# KiCad board 8851_HW-U1-VCU118_REV2-0_071417.kicad_pcb (continued)
## Routing (per net, layer and track width the routed paths; a pad name or vN(x,y) marks a point on that pad's centre or on a via; arc(x,y) is an arc through that point) (continued)
RLD3_C3_72B_DQ40: length 120.3
  TOP w0.15: v2(106.53,66.77) 107.02,66.28 ; 78.57,109.91 v2(79.06,109.41)
  TOP w0.375: U1.P25 v2(118.34,74.65)
  14_SIG4 w0.087: v2(79.06,109.41) 79.06,109.13 78.57,108.63 78.57,108.22 78.29,107.94 77.87,107.94 77.56,107.64 77.56,107.23 77.7,107.1 ; 92.9,65.3 99.67,65.3 100.28,64.7 104.17,64.7 105.06,65.59 105.06,66.01 105.33,66.28 105.76,66.28 106.25,66.77 v2(106.53,66.77)
  14_SIG4 w0.138: 77.7,107.1 77.83,106.97 77.83,106.36 77.65,106.18 77.65,105.06 77.46,104.87 77.16,104.87 76.97,104.69 76.97,104.31 77.16,104.12 77.46,104.12 77.65,103.94 77.65,103.7 77.87,103.48 78.81,103.48 79.01,103.28 79.01,103.05 78.77,102.81 78.03,102.81 77.82,102.6 77.82,100.53 78.07,100.27 79,100.27 79.18,100.46 79.18,101.58 79.37,101.76 79.72,101.76 79.93,101.55 79.93,100.46 80.12,100.27 80.84,100.27 81.6,99.52 81.6,98.68 82.38,97.9 82.38,93.77 80.92,92.31 80.92,91.92 80.85,91.85 80.85,89.3 80.12,88.58 73.72,88.58 72.58,87.43 72.58,84.86 73.12,84.32 80.38,84.32 81.05,83.65 81.05,75.24 80.68,74.88 79.64,74.88 79.45,74.69 79.45,73.49 79.26,73.31 78.89,73.31 78.7,73.49 78.7,74.69 78.51,74.88 75.83,74.88 74.73,73.77 74.73,71.91 74.94,71.7 75.36,71.7 75.55,71.89 75.55,73.29 75.73,73.47 76.11,73.47 76.3,73.29 76.3,71.89 76.48,71.7 76.86,71.7 77.05,71.89 77.05,73.29 77.23,73.47 77.61,73.47 77.8,73.29 77.8,71.89 77.98,71.7 78.96,71.7 80.74,73.48 81.34,73.48 82.95,71.87 82.95,67.36 83.77,66.54 84.94,66.54 85.51,67.11 87.93,67.11 89.98,65.06 92.55,65.06 92.79,65.3 92.9,65.3
RLD3_C3_72B_DQ41: length 119.9
  TOP w0.15: v2(105.55,66.77) 106.04,66.28 ; 79.55,112.86 v2(80.04,112.37)
  TOP w0.375: U1.N25 v2(118.34,75.63)
  14_SIG4 w0.087: v2(80.04,112.37) 79.74,112.37 79.25,111.88 78.78,111.88 78.57,111.66 78.57,111.08 78.75,110.89 79.33,110.89 79.55,110.67 79.55,110.6 79.55,108.23 79.26,107.94 78.86,107.94 78.57,107.65 78.57,107.26 78.47,107.17 78.47,107.1 ; 92.9,66.28 99.92,66.28 100.12,66.08 100.12,65.38 100.5,65 103.49,65 104.07,65.59 104.07,65.99 104.36,66.28 104.8,66.28 105.29,66.77 v2(105.55,66.77)
  14_SIG4 w0.138: 92.9,66.28 92.79,66.28 92.27,65.75 90.27,65.75 88.22,67.8 84.97,67.8 84.64,68.13 84.64,71.66 84.4,71.91 83.78,71.91 83.48,72.21 83.48,73.29 83.19,73.58 82.93,73.58 82.65,73.3 82.38,73.3 82.11,73.56 82.11,74.6 82.15,74.63 82.15,76.53 81.96,76.72 81.89,76.72 81.7,76.9 81.7,77.7 81.89,77.88 81.96,77.88 82.14,78.07 82.14,83.76 81.84,84.07 81.53,84.07 80.54,85.05 80.06,85.05 79.69,84.69 78.24,84.69 78.08,84.85 78.08,87.04 77.91,87.21 77.68,87.21 77.51,87.04 77.51,84.85 77.35,84.69 77.12,84.69 76.95,84.85 76.95,87.04 76.79,87.21 76.55,87.21 76.39,87.04 76.39,84.85 76.22,84.69 75.99,84.69 75.83,84.85 75.83,87.04 75.66,87.21 75.43,87.21 75.26,87.04 75.26,84.85 75.1,84.69 74.87,84.69 74.7,84.85 74.7,87.04 74.54,87.21 74.3,87.21 74.14,87.04 74.14,84.85 73.97,84.69 73.45,84.69 73.16,84.98 73.16,87.14 73.97,87.95 81.88,87.95 82.15,88.22 82.15,89.56 81.55,90.16 81.55,92.15 83.1,93.7 83.1,98.32 82.72,98.7 82.72,99.54 82.69,99.57 82.69,99.88 82.25,100.33 81.61,100.33 81.2,100.73 81.2,102.47 80.94,102.74 79.91,102.74 79.72,102.92 79.72,103.48 80.14,103.9 80.14,105.29 80.02,105.42 79.67,105.42 79.55,105.3 79.55,104.39 79.32,104.17 78.76,104.17 78.47,104.46 78.47,105.78 78.66,105.97 79.31,105.97 79.5,106.15 79.5,106.53 79.31,106.72 78.66,106.72 78.47,106.9 78.47,107.1
RLD3_C3_72B_DQ42: length 118.6
  TOP w0.15: 79.55,110.89 v2(80.04,110.4) ; v2(106.53,67.76) 107.02,67.27
  14_SIG4 w0.087: 80.54,107.02 80.54,107.43 80.64,107.54 81.07,107.54 81.17,107.65 81.17,107.8 81.07,107.91 80.64,107.91 80.54,108.02 80.54,110.6 80.28,110.86 80,110.86 79.92,110.78 79.92,110.52 v2(80.04,110.4) ; 92.9,67.25 99.9,67.25 100.12,67.03 100.12,66.55 100.38,66.3 100.9,66.3 101.1,66.1 101.1,65.47 101.28,65.3 102.8,65.3 103.09,65.59 103.09,65.99 103.38,66.28 103.78,66.28 104.07,66.57 104.07,66.98 104.36,67.27 106.66,67.27 106.74,67.35 106.74,67.63 106.62,67.76 v2(106.53,67.76)
  14_SIG4 w0.138: 92.9,67.25 92.79,67.25 92.13,66.58 90.24,66.58 88.33,68.49 85.71,68.49 85.38,68.83 85.38,71.85 84.52,72.71 84.52,73.88 84.22,74.17 82.88,74.17 82.72,74.33 82.72,75.17 82.89,75.33 83.41,75.33 83.57,75.5 83.57,75.73 83.41,75.9 82.89,75.9 82.72,76.06 82.72,76.29 82.89,76.46 83.61,76.46 83.83,76.68 83.83,76.91 83.67,77.08 82.51,77.08 82.4,77.19 82.4,77.42 82.56,77.58 83.7,77.58 83.83,77.72 83.83,77.95 83.64,78.14 82.89,78.14 82.72,78.31 82.72,78.54 82.89,78.71 83.29,78.71 83.45,78.87 83.45,79.1 83.29,79.27 82.89,79.27 82.72,79.43 82.72,79.67 82.89,79.83 83.29,79.83 83.45,80 83.45,80.23 83.29,80.39 82.89,80.39 82.72,80.56 82.72,80.79 82.89,80.96 83.29,80.96 83.45,81.12 83.45,81.35 83.29,81.52 82.89,81.52 82.72,81.68 82.72,81.92 82.89,82.08 83.29,82.08 83.45,82.25 83.45,82.48 83.29,82.64 82.89,82.64 82.72,82.81 82.72,83.04 82.89,83.21 83.29,83.21 83.45,83.37 83.45,83.6 83.29,83.77 82.89,83.77 82.72,83.93 82.72,84.17 82.89,84.33 83.29,84.33 83.45,84.5 83.45,86.36 83.26,86.55 82.95,86.55 82.72,86.33 82.72,85.1 82.53,84.9 82.28,84.9 81.78,85.4 81.35,85.4 80.8,85.95 79.62,85.95 79.4,86.18 79.4,86.97 79.6,87.17 80.97,87.17 81.37,86.78 82.08,86.78 82.92,87.62 82.92,89.1 83.11,89.29 84.12,89.29 84.56,88.84 84.56,85.65 84.76,85.45 85.23,85.45 85.42,85.64 85.42,89.85 85.23,90.04 82.68,90.04 82.54,90.18 82.54,90.55 82.79,90.8 85.25,90.8 85.42,90.97 85.42,91.35 85.23,91.54 84.36,91.54 84.17,91.72 84.17,92.14 83.99,92.33 83.61,92.33 83.42,92.14 83.42,91.72 83.24,91.54 82.71,91.54 82.5,91.75 82.5,92.29 83.83,93.62 83.83,98.41 84,98.59 84,99.45 83.82,99.64 83.42,99.64 83.26,99.8 83.26,100.17 83.47,100.39 84.02,100.39 84.23,100.61 84.23,100.9 83.98,101.15 82.67,101.15 82.45,101.38 82.45,102.73 81.58,103.59 81.35,103.59 81.07,103.31 80.84,103.31 80.67,103.48 80.67,103.64 80.95,103.92 80.95,104.22 80.83,104.35 80.83,105.15 80.7,105.27 80.7,105.52 80.25,105.98 80.25,105.98 80.17,106.05 80.17,106.44 80.54,106.8 80.54,107.02
RLD3_C3_72B_DQ43: length 117.5
  TOP w0.15: v2(105.55,68.74) 106.04,68.25 ; 80.53,113.85 v2(81.03,113.35)
  14_SIG4 w0.087: 82.28,112.83 82.24,112.86 81.19,112.86 81.03,113.02 v2(81.03,113.35) ; 92.9,69.22 99.9,69.22 100.12,69 100.12,68.45 100.32,68.26 100.82,68.26 101.1,67.97 101.1,67.47 101.3,67.27 102.8,67.27 103.09,67.55 103.09,67.96 103.38,68.25 103.78,68.25 104.07,68.54 104.07,68.95 104.36,69.24 105.63,69.24 105.75,69.12 105.75,68.84 105.65,68.74 v2(105.55,68.74)
  14_SIG4 w0.138: 92.9,69.22 92.78,69.22 91.8,68.25 90.2,68.25 88.7,69.75 87.76,69.75 87.38,70.14 87.38,73.22 87.22,73.38 85.86,73.38 85.7,73.54 85.7,73.78 85.86,73.94 87.22,73.94 87.38,74.11 87.38,74.47 87.22,74.63 86.56,74.63 86.4,74.8 86.4,75.03 86.56,75.2 87.22,75.2 87.38,75.36 87.38,75.59 87.22,75.76 86.56,75.76 86.4,75.92 86.4,76.16 86.56,76.32 87.22,76.32 87.38,76.49 87.38,76.72 87.22,76.88 86.56,76.88 86.4,77.05 86.4,77.28 86.56,77.45 87.22,77.45 87.38,77.61 87.38,77.84 87.22,78.01 86.56,78.01 86.4,78.17 86.4,78.41 86.56,78.57 87.47,78.57 87.7,78.8 87.7,79.14 87.54,79.31 86.91,79.31 86.75,79.47 86.75,79.7 86.91,79.87 87.54,79.87 87.7,80.03 87.7,80.27 87.54,80.43 86.91,80.43 86.75,80.6 86.75,80.83 86.91,80.99 87.54,80.99 87.7,81.16 87.7,81.47 87.61,81.57 87.04,81.57 86.83,81.78 86.83,82.05 86.99,82.21 87.59,82.21 87.7,82.33 87.7,82.66 87.59,82.77 86.99,82.77 86.83,82.94 86.83,83.17 86.99,83.34 87.59,83.34 87.7,83.45 87.7,83.78 87.59,83.9 86.99,83.9 86.83,84.06 86.83,84.3 86.99,84.46 87.59,84.46 87.7,84.58 87.7,84.91 87.59,85.02 86.99,85.02 86.83,85.19 86.83,85.42 86.99,85.59 87.59,85.59 87.7,85.7 87.7,86.03 87.59,86.15 86.99,86.15 86.83,86.31 86.83,86.55 86.99,86.71 87.59,86.71 87.7,86.83 87.7,87.16 87.59,87.27 86.99,87.27 86.83,87.44 86.83,87.67 86.99,87.84 87.59,87.84 87.7,87.95 87.7,88.28 87.59,88.4 86.99,88.4 86.83,88.56 86.83,89.08 87.02,89.27 87.19,89.27 87.68,89.76 87.68,89.99 86.7,90.97 86.7,91.26 86.86,91.42 87.04,91.42 88.08,90.39 88.31,90.39 88.48,90.55 88.48,90.78 87.66,91.6 87.66,91.83 87.82,92 88.06,92 88.87,91.18 89.11,91.18 89.27,91.35 89.27,91.58 88.45,92.4 88.45,92.63 88.62,92.79 88.85,92.79 89.67,91.98 89.9,91.98 90.19,92.26 90.19,93.2 90,93.38 89.81,93.38 89.63,93.57 89.63,93.95 89.81,94.13 90,94.13 90.19,94.32 90.19,94.57 89.72,95.03 89.46,95.03 89.12,94.7 88.86,94.7 88.6,94.96 88.6,95.24 88.93,95.56 88.93,95.83 88.66,96.09 88.39,96.09 88.01,95.71 87.75,95.71 87.48,95.98 87.48,96.24 87.86,96.63 87.86,96.89 87.67,97.09 86.15,97.09 85.89,97.35 85.89,98.07 86.08,98.26 87.91,98.26 88.24,98.59 88.24,98.86 88.05,99.05 86.83,99.05 86.52,99.36 86.52,99.62 86.71,99.81 87.59,99.81 87.86,100.09 87.86,101.04 87.74,101.16 86.61,101.16 85.93,101.84 85.93,102.44 85.88,102.5 85.88,102.73 86.01,102.86 86.01,103.09 85.84,103.26 85.61,103.26 85.48,103.13 85.25,103.13 85.08,103.29 85.08,103.53 85.21,103.66 85.21,103.89 85.05,104.05 84.81,104.05 84.68,103.93 84.45,103.93 84.28,104.09 84.28,104.32 84.41,104.45 84.41,104.69 84.25,104.85 84.02,104.85 83.89,104.72 83.65,104.72 83.49,104.89 83.49,105.12 83.62,105.25 83.62,105.48 83.45,105.65 83.22,105.65 83.09,105.52 82.86,105.52 82.57,105.8 82.57,105.87 82.41,106.03 82.26,106.03 82.1,106.2 82.1,106.43 82.26,106.59 82.41,106.59 82.57,106.76 82.57,107.2 82.41,107.37 82.16,107.37 82,107.53 82,107.77 82.16,107.93 82.41,107.93 82.57,108.09 82.57,112.53 82.28,112.83
RLD3_C3_72B_DQ44: length 118.7
  TOP w0.15: 107.02,65.3 v2(106.53,65.79) ; 80.53,111.88 v2(81.03,111.38)
  14_SIG4 w0.087: 92.9,64.4 93.3,64.8 99.62,64.8 100.05,64.38 105.12,64.38 v2(106.53,65.79) ; 77.14,107.1 77.14,107.71 77.58,108.16 77.58,108.63 77.87,108.92 78.27,108.92 78.57,109.22 78.57,110.6 78.27,110.89 77.87,110.89 77.58,111.18 77.58,111.58 77.88,111.88 78.28,111.88 78.57,112.17 78.57,112.56 78.87,112.86 80.39,112.86 80.54,112.71 80.54,112.15 81.03,111.66 v2(81.03,111.38)
  14_SIG4 w0.138: 92.9,64.4 92.88,64.38 89.7,64.38 87.65,66.42 85.83,66.42 84.59,65.19 83.77,65.19 83.48,65.47 83.48,66.01 82.2,67.29 82.2,71.33 81.84,71.69 81.37,71.69 80.75,71.08 74.09,71.08 73.82,71.35 73.82,74.85 74.52,75.55 79.92,75.55 80.33,75.95 80.33,83.42 79.9,83.85 72.65,83.85 72.16,84.34 72.16,87.58 73.83,89.25 79.74,89.25 80.33,89.84 80.33,92.51 81.6,93.79 81.6,97.71 79.88,99.42 77.59,99.42 77.03,99.99 77.03,100.84 76.84,101.03 75.68,101.03 75.49,101.22 75.49,101.59 75.68,101.78 76.84,101.78 77.03,101.97 77.03,102.88 76.81,103.1 76.05,103.1 75.72,103.43 75.72,103.84 75.53,104.02 75.06,104.02 74.87,104.21 74.87,104.59 75.06,104.77 75.53,104.77 76.21,105.45 76.21,105.89 77.14,106.82 77.14,107.1
RLD3_C3_72B_DQ45: length 116.8
  TOP w0.15: v2(72.17,111.38) 72.66,111.88 ; v2(104.56,66.77) 105.06,66.28
  20_SIG7 w0.087: 92.9,65.28 95.8,65.28 96.27,64.81 104.51,64.81 105.06,65.35 105.06,66.6 104.89,66.77 v2(104.56,66.77) ; v2(72.17,111.38) 72.17,111.71 72,111.88 70.98,111.88 70.69,112.17 70.69,112.66 70.49,112.86 70,112.86 69.71,113.15 69.71,113.73 69.56,113.88 68.82,113.88 68.67,114.03 68.67,114.24 68.82,114.39 69.56,114.39 69.71,114.54 69.71,115.66 69.55,115.81 67.91,115.81 67.83,115.9
  20_SIG7 w0.138: 67.83,115.9 67.5,116.22 66.28,116.22 65.93,115.88 65.93,115.68 66.7,114.91 66.7,114.72 66.51,114.52 66.31,114.52 65.54,115.29 65.35,115.29 65.16,115.1 65.16,114.86 65.83,114.18 65.83,113.98 65.64,113.79 65.44,113.79 64.74,114.49 64.55,114.49 64.38,114.32 64.38,114.13 64.87,113.64 64.87,113.44 64.67,113.25 64.48,113.25 63.99,113.74 63.8,113.74 63.19,113.13 63.19,100.74 65.77,98.16 80.68,98.16 80.88,97.97 80.88,89.28 80.18,88.59 78.77,88.59 78.54,88.35 78.54,85.06 78.87,84.73 80.39,84.73 81.02,84.11 81.02,75.37 81.15,75.24 81.52,75.24 81.65,75.1 81.65,74.69 81.52,74.55 80.95,74.55 80.82,74.42 80.82,73.77 81.06,73.52 81.26,73.52 81.54,73.8 81.73,73.8 82.02,73.51 82.02,73.32 81.74,73.04 81.74,72.84 82.18,72.4 82.18,69.06 83.6,67.64 84.59,67.64 84.86,67.37 88.24,67.37 90.33,65.28 92.9,65.28
RLD3_C3_72B_DQ46: length 117
  TOP w0.15: 71.68,110.89 v2(71.18,110.4) ; v2(103.58,67.76) 104.07,67.27
  20_SIG7 w0.087: 80.53,107.1 80.53,118.49 80.3,118.73 79.74,118.73 79.55,118.54 79.55,116.99 79.35,116.79 77.74,116.79 77.58,116.63 77.58,114.91 76.86,114.19 75.92,114.19 75.58,113.85 75.58,113.22 75.22,112.86 74.68,112.86 74.22,112.41 74.22,108.48 73.68,107.94 72.95,107.94 72.95,107.94 72.66,107.65 72.66,107.65 72.58,107.57 70.16,107.57 69.71,108.02 69.71,108.63 70,108.92 70.4,108.92 70.69,109.21 70.69,109.69 71.18,110.18 v2(71.18,110.4) ; 93.55,71.2 94.93,71.2 95.21,70.92 95.21,70.51 95.5,70.22 95.97,70.22 95.97,70.21 96.2,69.97 96.2,69.52 96.49,69.24 96.89,69.24 97.18,68.95 97.18,68.54 97.47,68.25 102.86,68.25 103.36,67.76 v2(103.58,67.76)
  20_SIG7 w0.138: 93.55,71.2 93.22,71.2 88.22,76.2 88.22,76.99 88.08,77.13 87.25,77.13 87.12,77.27 87.12,88.53 87.25,88.67 87.53,88.67 87.67,88.53 87.67,77.82 87.8,77.68 88.08,77.68 88.22,77.82 88.22,92.2 88.85,92.83 88.85,94.74 87.37,96.22 85.83,96.22 85.67,96.39 85.67,96.88 85.86,97.08 86.83,97.08 87.1,97.35 87.1,98.01 87.24,98.15 87.24,99.37 86.22,100.39 86.22,100.73 80.53,106.42 80.53,107.1
RLD3_C3_72B_DQ47: length 113.3
  TOP w0.15: 71.68,108.92 v2(71.18,108.43) ; v2(103.58,69.73) 104.07,69.24
  20_SIG7 w0.087: v2(71.18,108.43) 71.47,108.43 71.97,108.92 72,108.92 72.37,108.92 72.66,109.21 72.66,109.62 72.66,109.62 72.66,112.57 72.95,112.86 73.02,112.86 73.36,112.86 73.83,113.34 73.83,113.46 73.39,113.9 73.39,114.03 73.57,114.21 73.7,114.21 74.14,113.77 74.26,113.77 74.8,114.3 74.8,114.43 74.63,114.59 74.63,114.71 74.82,114.9 74.94,114.9 75.11,114.74 75.23,114.74 75.59,115.09 75.59,118.5 75.88,118.8 77.32,118.8 77.55,119.02 77.55,121.77 ; v2(103.58,69.73) 103.96,69.73 104.1,69.87 104.1,70.04 103.92,70.22 97.47,70.22 97.18,70.51 97.18,70.92 96.89,71.2 96.49,71.2 96.2,71.49 96.2,71.9 95.91,72.19 95.5,72.19 95.21,72.48 95.21,72.93 94.97,73.17 93.62,73.17
  20_SIG7 w0.138: 93.62,73.17 93.07,73.17 92.21,74.04 92.21,74.23 92.86,74.89 92.86,75.1 92.57,75.39 92.39,75.39 91.72,74.72 91.53,74.72 91.23,75.01 91.23,75.2 91.54,75.5 91.54,75.7 91.24,75.99 91.05,75.99 90.75,75.69 90.55,75.69 90.26,75.98 90.26,76.18 90.56,76.48 90.56,76.67 90.27,76.96 90.08,76.96 89.78,76.66 89.58,76.66 89.33,76.91 89.33,89.95 90.01,90.63 90.01,96.9 89.61,97.3 89.61,98.6 89.47,98.74 89.12,98.74 88.98,98.88 88.98,99.29 89.12,99.43 89.47,99.43 89.61,99.56 89.61,100.84 89.75,100.98 90.05,100.98 90.19,101.12 90.19,101.53 90.05,101.67 89.75,101.67 89.61,101.81 89.61,102.38 88.86,103.12 85.48,103.12 81.71,106.89 81.71,107.66 81.89,107.83 82.55,107.83 82.65,107.93 82.65,118.46 81.56,119.55 81.56,121.33 81.46,121.42 81.15,121.42 80.97,121.6 80.97,121.88 81.09,121.99 82.24,121.99 82.33,122.07 82.33,122.25 82.24,122.34 81.64,122.34 81.56,122.42 81.56,124.34 81.42,124.47 81.01,124.47 80.87,124.34 80.87,122.39 80.74,122.25 80.32,122.25 80.19,122.39 80.19,124.18 79.92,124.44 77.82,124.44 77.55,124.17 77.55,121.77
RLD3_C3_72B_DQ48: length 113.6
  TOP w0.15: v2(102.6,69.73) 103.09,69.24 ; 70.69,113.85 v2(70.2,113.35)
  20_SIG7 w0.087: v2(70.2,113.35) 70.2,114.52 70.69,115.02 70.69,115.12 70.69,116.1 70.69,116.1 70.69,116.33 70.69,116.51 70.4,116.8 67.83,116.8 ; v2(102.6,69.73) 103.09,69.24 103.09,68.51 103.35,68.25 103.78,68.25 104.07,67.96 104.07,67.93 104.07,67.55 104.36,67.27 105.75,67.27 106.04,66.98 106.04,65.62 104.96,64.54 96.1,64.54 95.82,64.82 93.2,64.82 92.9,64.52
  20_SIG7 w0.138: 67.83,116.8 65.92,116.8 62.43,113.31 62.43,100.74 65.62,97.55 80.08,97.55 80.28,97.35 80.28,89.38 80.05,89.14 78.46,89.14 78.02,88.7 78.02,84.43 78.32,84.13 80.03,84.13 80.33,83.84 80.33,74.72 79.57,73.96 79.57,70.61 83.67,66.51 87.59,66.51 89.58,64.52 92.9,64.52
RLD3_C3_72B_DQ49: length 115.4
  TOP w0.15: 70.69,111.88 v2(70.2,111.38) ; 104.07,65.3 v2(103.58,65.79)
  20_SIG7 w0.087: v2(103.58,65.79) 103.12,65.33 97.43,65.33 97.18,65.59 97.18,65.99 96.89,66.28 96.49,66.28 96.2,66.57 96.2,66.98 95.91,67.27 95.5,67.27 95.21,67.55 95.21,67.96 94.93,68.25 93.55,68.25 ; 67.83,110.89 67.84,110.88 68.42,110.88 68.72,111.18 68.72,111.59 69.01,111.88 69.42,111.88 69.91,111.38 v2(70.2,111.38)
  20_SIG7 w0.138: 93.55,68.25 91.04,68.25 86.76,72.53 86.76,72.89 87.35,73.48 87.35,73.84 86.98,74.21 86.05,74.21 85.79,73.95 85.79,72.79 85.53,72.54 84.89,72.54 84.53,72.9 84.53,75.24 84.3,75.47 83.66,75.47 83.32,75.81 83.32,86.09 83.19,86.22 82.93,86.22 82.79,86.36 82.79,86.64 82.93,86.77 83.19,86.77 83.32,86.91 83.32,87.19 83.19,87.32 82.93,87.32 82.79,87.46 82.79,87.74 82.93,87.87 83.19,87.87 83.32,88.01 83.32,97.73 84,98.4 84,99.33 82.83,100.49 80.31,100.49 79.9,100.9 79.9,102.83 79.7,103.03 70.92,103.03 70.68,102.78 67.91,102.78 67.73,102.96 67.73,103.44 67.87,103.58 69.27,103.58 69.5,103.35 70.35,103.35 70.58,103.58 78.39,103.58 78.53,103.71 78.53,104.26 78.39,104.4 78.04,104.4 77.9,104.54 77.9,104.68 77.76,104.82 77.35,104.82 77.21,104.68 77.21,104.54 77.07,104.4 76.66,104.4 76.52,104.54 76.52,104.68 76.39,104.82 75.97,104.82 75.84,104.68 75.84,104.54 75.7,104.4 67.41,104.4 67.15,104.14 67.15,102.86 67.01,102.72 66.58,102.72 66.45,102.86 66.45,110.23 67.11,110.89 67.83,110.89
RLD3_C3_72B_DQ50: length 115.5
  TOP w0.15: 70.69,109.91 v2(70.2,109.41) ; v2(103.58,66.77) 104.07,66.28
  20_SIG7 w0.087: v2(103.58,66.77) 103.09,66.28 97.47,66.28 97.18,66.57 97.18,66.98 96.89,67.27 96.49,67.27 96.2,67.55 96.2,67.96 95.91,68.25 95.5,68.25 95.21,68.54 95.21,69 94.98,69.24 93.55,69.24 ; 77.58,107.1 77.58,107.72 77.81,107.94 78.29,107.94 78.57,108.22 78.57,108.63 78.28,108.92 77.87,108.92 77.58,109.21 77.58,109.62 77.87,109.91 77.9,109.91 77.9,109.91 78.46,109.91 78.56,110.01 78.56,110.75 78.42,110.89 76.74,110.89 76.6,110.75 76.6,110.61 76.6,110.6 76.6,110.2 76.6,110.2 76.6,109.21 76.31,108.92 75.9,108.92 75.61,108.63 75.61,108.16 75.83,107.94 76.65,107.94 76.81,107.78 76.81,107.1 ; 67.83,109.72 68.01,109.91 68.43,109.91 68.72,110.2 68.72,110.6 69.01,110.89 70,110.89 70.4,110.89 70.69,110.6 70.69,110.17 70.2,109.68 v2(70.2,109.41)
  20_SIG7 w0.138: 93.55,69.24 93.04,69.24 92.66,69.62 92.29,69.62 91.76,69.09 91.4,69.09 91.03,69.45 91.03,69.82 91.56,70.35 91.56,70.71 91.2,71.08 90.84,71.08 90.3,70.54 89.94,70.54 89.58,70.91 89.58,71.27 90.11,71.81 90.11,72.17 89.74,72.53 89.38,72.53 88.85,72 88.48,72 88.12,72.36 88.12,72.73 88.65,73.26 88.65,73.63 87.81,74.47 87.81,74.74 87.55,74.99 85.76,74.99 85.1,75.65 85.1,76.51 84.96,76.65 84.69,76.65 84.55,76.79 84.55,77.2 84.69,77.34 84.96,77.34 85.1,77.47 85.1,77.89 84.96,78.02 84.69,78.02 84.55,78.16 84.55,78.57 84.69,78.71 84.96,78.71 85.1,78.85 85.1,79.26 84.96,79.4 84.69,79.4 84.55,79.54 84.55,79.95 84.69,80.09 84.96,80.09 85.1,80.22 85.1,80.64 84.96,80.77 84.69,80.77 84.55,80.91 84.55,81.32 84.69,81.46 84.96,81.46 85.1,81.6 85.1,82.01 84.96,82.15 84.69,82.15 84.55,82.29 84.55,82.7 84.69,82.84 84.96,82.84 85.1,82.97 85.1,83.39 84.96,83.52 84.69,83.52 84.55,83.66 84.55,84.07 84.69,84.21 84.96,84.21 85.1,84.35 85.1,84.76 84.96,84.9 84.69,84.9 84.55,85.04 84.55,85.45 84.69,85.59 84.96,85.59 85.1,85.72 85.1,86.14 84.96,86.27 84.69,86.27 84.55,86.41 84.55,86.82 84.69,86.96 84.96,86.96 85.1,87.1 85.1,87.51 84.96,87.65 84.69,87.65 84.55,87.79 84.55,88.2 84.69,88.34 84.96,88.34 85.1,88.47 85.1,88.9 84.96,89.03 84.29,89.03 84.15,89.17 84.15,89.58 84.29,89.72 84.96,89.72 85.1,89.86 85.1,90.27 84.96,90.41 84.29,90.41 84.15,90.55 84.15,90.96 84.29,91.1 84.96,91.1 85.1,91.23 85.1,91.84 84.71,92.23 84.71,92.23 84.1,92.84 84.1,97.31 85.25,98.46 85.25,99.22 84.64,99.84 84.64,100.42 84.3,100.76 83.29,100.76 83.04,101.01 81.6,101.01 81.22,101.38 81.22,103.06 79.7,104.59 79.7,105.33 79.04,105.99 79.04,106.02 78.2,106.86 77.81,106.86 77.58,107.09 77.58,107.1 ; 67.83,109.72 67.74,109.64 67.74,106.34 67.88,106.2 69.39,106.2 69.53,106.06 69.53,105.57 69.67,105.43 70.08,105.43 70.22,105.57 70.22,106.06 70.36,106.2 70.77,106.2 70.91,106.06 70.91,105.57 71.04,105.43 71.46,105.43 71.59,105.57 71.59,106.06 71.73,106.2 72.14,106.2 72.28,106.06 72.28,105.57 72.42,105.43 72.83,105.43 72.97,105.57 72.97,106.06 73.11,106.2 73.52,106.2 73.66,106.06 73.66,105.57 73.79,105.43 74.21,105.43 74.34,105.57 74.34,106.06 74.48,106.2 74.89,106.2 75.03,106.06 75.03,105.57 75.17,105.43 75.58,105.43 75.72,105.57 75.72,106.06 75.86,106.2 76.43,106.2 76.81,106.57 76.81,107.1
RLD3_C3_72B_DQ51: length 115.3
  TOP w0.15: v2(102.6,67.76) 103.09,67.27 ; 69.71,112.86 v2(69.21,112.37)
  20_SIG7 w0.087: 67.83,111.88 68.43,111.88 68.93,112.37 v2(69.21,112.37) ; 93.55,67.27 94.93,67.27 95.21,66.98 95.21,66.57 95.5,66.28 95.91,66.28 96.2,65.99 96.2,65.55 96.68,65.07 103.83,65.07 104.07,65.31 104.07,67.11 103.91,67.27 103.09,67.27 v2(102.6,67.76)
  20_SIG7 w0.138: 67.83,111.88 65.98,111.88 65.67,111.57 65.67,103.27 65.37,102.97 65.37,101.42 66.81,99.98 67.34,99.98 67.48,100.12 67.48,100.7 67.61,100.83 67.89,100.83 68.03,100.7 68.03,100.12 68.16,99.98 68.44,99.98 68.58,100.12 68.58,100.7 68.71,100.83 68.99,100.83 69.13,100.7 69.13,100.12 69.26,99.98 69.54,99.98 69.68,100.12 69.68,100.7 69.81,100.83 70.09,100.83 70.23,100.7 70.23,100.12 70.36,99.98 70.64,99.98 70.78,100.12 70.78,100.7 70.91,100.83 71.19,100.83 71.33,100.7 71.33,100.12 71.46,99.98 71.74,99.98 71.88,100.12 71.88,100.7 72.01,100.83 72.29,100.83 72.43,100.7 72.43,100.12 72.56,99.98 72.84,99.98 72.98,100.12 72.98,100.7 73.11,100.83 73.39,100.83 73.53,100.7 73.53,100.12 73.66,99.98 73.94,99.98 74.08,100.12 74.08,101.65 74.21,101.78 74.47,101.78 74.63,101.63 74.63,100.12 74.76,99.98 75.04,99.98 75.18,100.12 75.18,101.65 75.31,101.78 75.57,101.78 75.73,101.63 75.73,100.12 75.86,99.98 76.14,99.98 76.28,100.12 76.28,101.65 76.41,101.78 76.67,101.78 76.83,101.63 76.83,100.12 76.96,99.98 77.24,99.98 77.38,100.12 77.38,100.7 77.51,100.83 77.79,100.83 77.93,100.7 77.93,100.12 78.06,99.98 78.34,99.98 78.48,100.12 78.48,100.33 78.61,100.47 78.89,100.47 79.03,100.33 79.03,100.12 79.16,99.98 82.16,99.98 82.78,99.36 82.78,98.17 82.17,97.56 82.17,90.9 82.79,90.28 82.79,88.99 82.25,88.45 82.25,85.9 82.79,85.36 82.79,74.48 83.45,73.82 83.45,72.19 83.75,71.88 84.63,71.88 84.77,71.74 84.77,70.61 84.91,70.47 85.18,70.47 85.32,70.61 85.32,71.74 85.46,71.88 86.34,71.88 86.56,71.66 86.56,71.46 86.08,70.99 86.08,70.79 86.28,70.6 86.47,70.6 86.95,71.07 87.14,71.07 88.07,70.15 88.07,69.95 87.74,69.62 87.74,69.43 88.03,69.13 88.23,69.13 88.56,69.46 88.75,69.46 90.95,67.27 93.55,67.27
RLD3_C3_72B_DQ52: length 115.6
  TOP w0.15: 69.71,110.89 v2(69.21,110.4) ; 102.1,67.27 v2(101.61,67.76)
  20_SIG7 w0.087: 69.65,107.1 68.72,108.03 68.72,109.63 69.21,110.12 v2(69.21,110.4) ; v2(101.61,67.76) 101.71,67.85 101.92,67.85 102.11,67.66 102.11,67.37 102,67.27 97.47,67.27 97.18,67.55 97.18,67.96 96.89,68.25 96.49,68.25 96.2,68.54 96.2,68.95 95.91,69.24 95.5,69.24 95.21,69.52 95.21,69.93 94.93,70.22 93.55,70.22 ; 73.87,107.1 74.63,107.86 74.63,110.19 74.63,110.2 74.63,111.59 74.92,111.88 78.47,111.88 78.57,111.98 78.57,112.77 78.47,112.88 76.72,112.88 76.57,113.02 76.57,113.67 76.72,113.82 78.44,113.82 78.57,113.96 78.57,115.74 78.65,115.82 79.42,115.82 79.55,115.69 79.55,110.2 79.55,110.19 79.55,107.1
  20_SIG7 w0.138: 69.65,107.1 69.99,106.76 73.53,106.76 73.87,107.1 ; 93.55,70.22 93.13,70.22 86.59,76.76 86.59,77.31 86.45,77.45 85.76,77.45 85.63,77.58 85.63,77.86 85.76,78 86.45,78 86.59,78.13 86.59,78.41 86.45,78.55 85.76,78.55 85.63,78.68 85.63,78.96 85.76,79.1 86.45,79.1 86.59,79.23 86.59,79.51 86.45,79.65 85.76,79.65 85.63,79.78 85.63,80.06 85.76,80.2 86.45,80.2 86.59,80.33 86.59,80.61 86.45,80.75 85.76,80.75 85.63,80.88 85.63,81.16 85.76,81.3 86.45,81.3 86.59,81.43 86.59,81.71 86.45,81.85 85.76,81.85 85.63,81.98 85.63,82.26 85.76,82.4 86.45,82.4 86.59,82.53 86.59,82.81 86.45,82.95 85.76,82.95 85.63,83.08 85.63,83.36 85.76,83.5 86.45,83.5 86.59,83.63 86.59,83.91 86.45,84.05 85.76,84.05 85.63,84.18 85.63,84.46 85.76,84.6 86.45,84.6 86.59,84.73 86.59,85.01 86.45,85.15 85.76,85.15 85.63,85.28 85.63,85.56 85.76,85.7 86.45,85.7 86.59,85.83 86.59,86.11 86.45,86.25 85.76,86.25 85.63,86.38 85.63,86.66 85.76,86.8 86.45,86.8 86.59,86.93 86.59,87.21 86.45,87.35 85.76,87.35 85.63,87.48 85.63,87.76 85.76,87.9 86.45,87.9 86.59,88.03 86.59,88.31 86.45,88.45 85.76,88.45 85.63,88.58 85.63,89.11 85.86,89.34 87.52,89.34 87.66,89.48 87.66,90.41 87.52,90.55 86,90.55 85.86,90.68 85.86,90.96 86,91.1 87.52,91.1 87.66,91.23 87.66,91.48 87.3,91.84 86.06,91.84 84.86,93.05 84.86,96.92 86.6,98.67 86.6,99.11 85.4,100.31 85.4,100.82 84.95,101.27 83.5,101.27 82.55,102.22 82.55,103.02 80.23,105.33 80.23,105.52 79.55,106.21 79.55,107.1
RLD3_C3_72B_DQ53: length 115.6
  TOP w0.15: 68.72,113.85 v2(68.23,113.35) ; v2(102.6,68.74) 103.09,68.25
  TOP w0.375: U1.K27 v2(120.31,78.59)
  20_SIG7 w0.087: 81.09,107.1 81.09,107.69 81.52,108.11 81.52,118.61 81.35,118.78 80.83,118.78 80.53,119.08 80.53,121.39 ; v2(68.23,113.35) 68.72,112.86 69.42,112.86 69.71,112.57 69.71,112.17 70,111.88 70.4,111.88 70.69,111.59 70.69,111.18 70.98,110.89 71.39,110.89 71.68,110.6 71.68,110.2 71.68,110.2 71.68,109.21 71.39,108.92 70.98,108.92 70.69,108.63 70.69,108.16 70.91,107.94 70.98,107.94 70.98,107.94 72.37,107.94 72.38,107.94 72.43,107.94 72.66,108.17 72.66,108.22 72.66,108.23 72.66,108.68 72.9,108.92 73.37,108.92 73.64,109.19 73.64,109.21 73.64,112.59 75.67,114.62 76.12,114.62 76.62,115.12 76.62,117.59 76.81,117.78 78.41,117.78 78.58,117.95 78.58,121.45 ; v2(102.6,68.74) 102.1,69.24 97.47,69.24 97.18,69.52 97.18,69.93 96.89,70.22 96.49,70.22 96.41,70.3 96.4,70.3 96.2,70.51 96.2,70.92 95.91,71.2 95.5,71.2 95.21,71.49 95.21,71.9 94.93,72.19 93.55,72.19